# Altium PCB MotionController_DriverV1.1.PcbDoc
Units mil, origin at the board's own origin, x right, y up, seen from the top; angles counter-clockwise.
Board outline 2165.35 x 2755.91 mil, 2 copper layers (Top Layer, Bottom Layer); 155 components, 91 nets, 405 pads, 216 vias.
Unrouted connection lines stored in the file: 1.
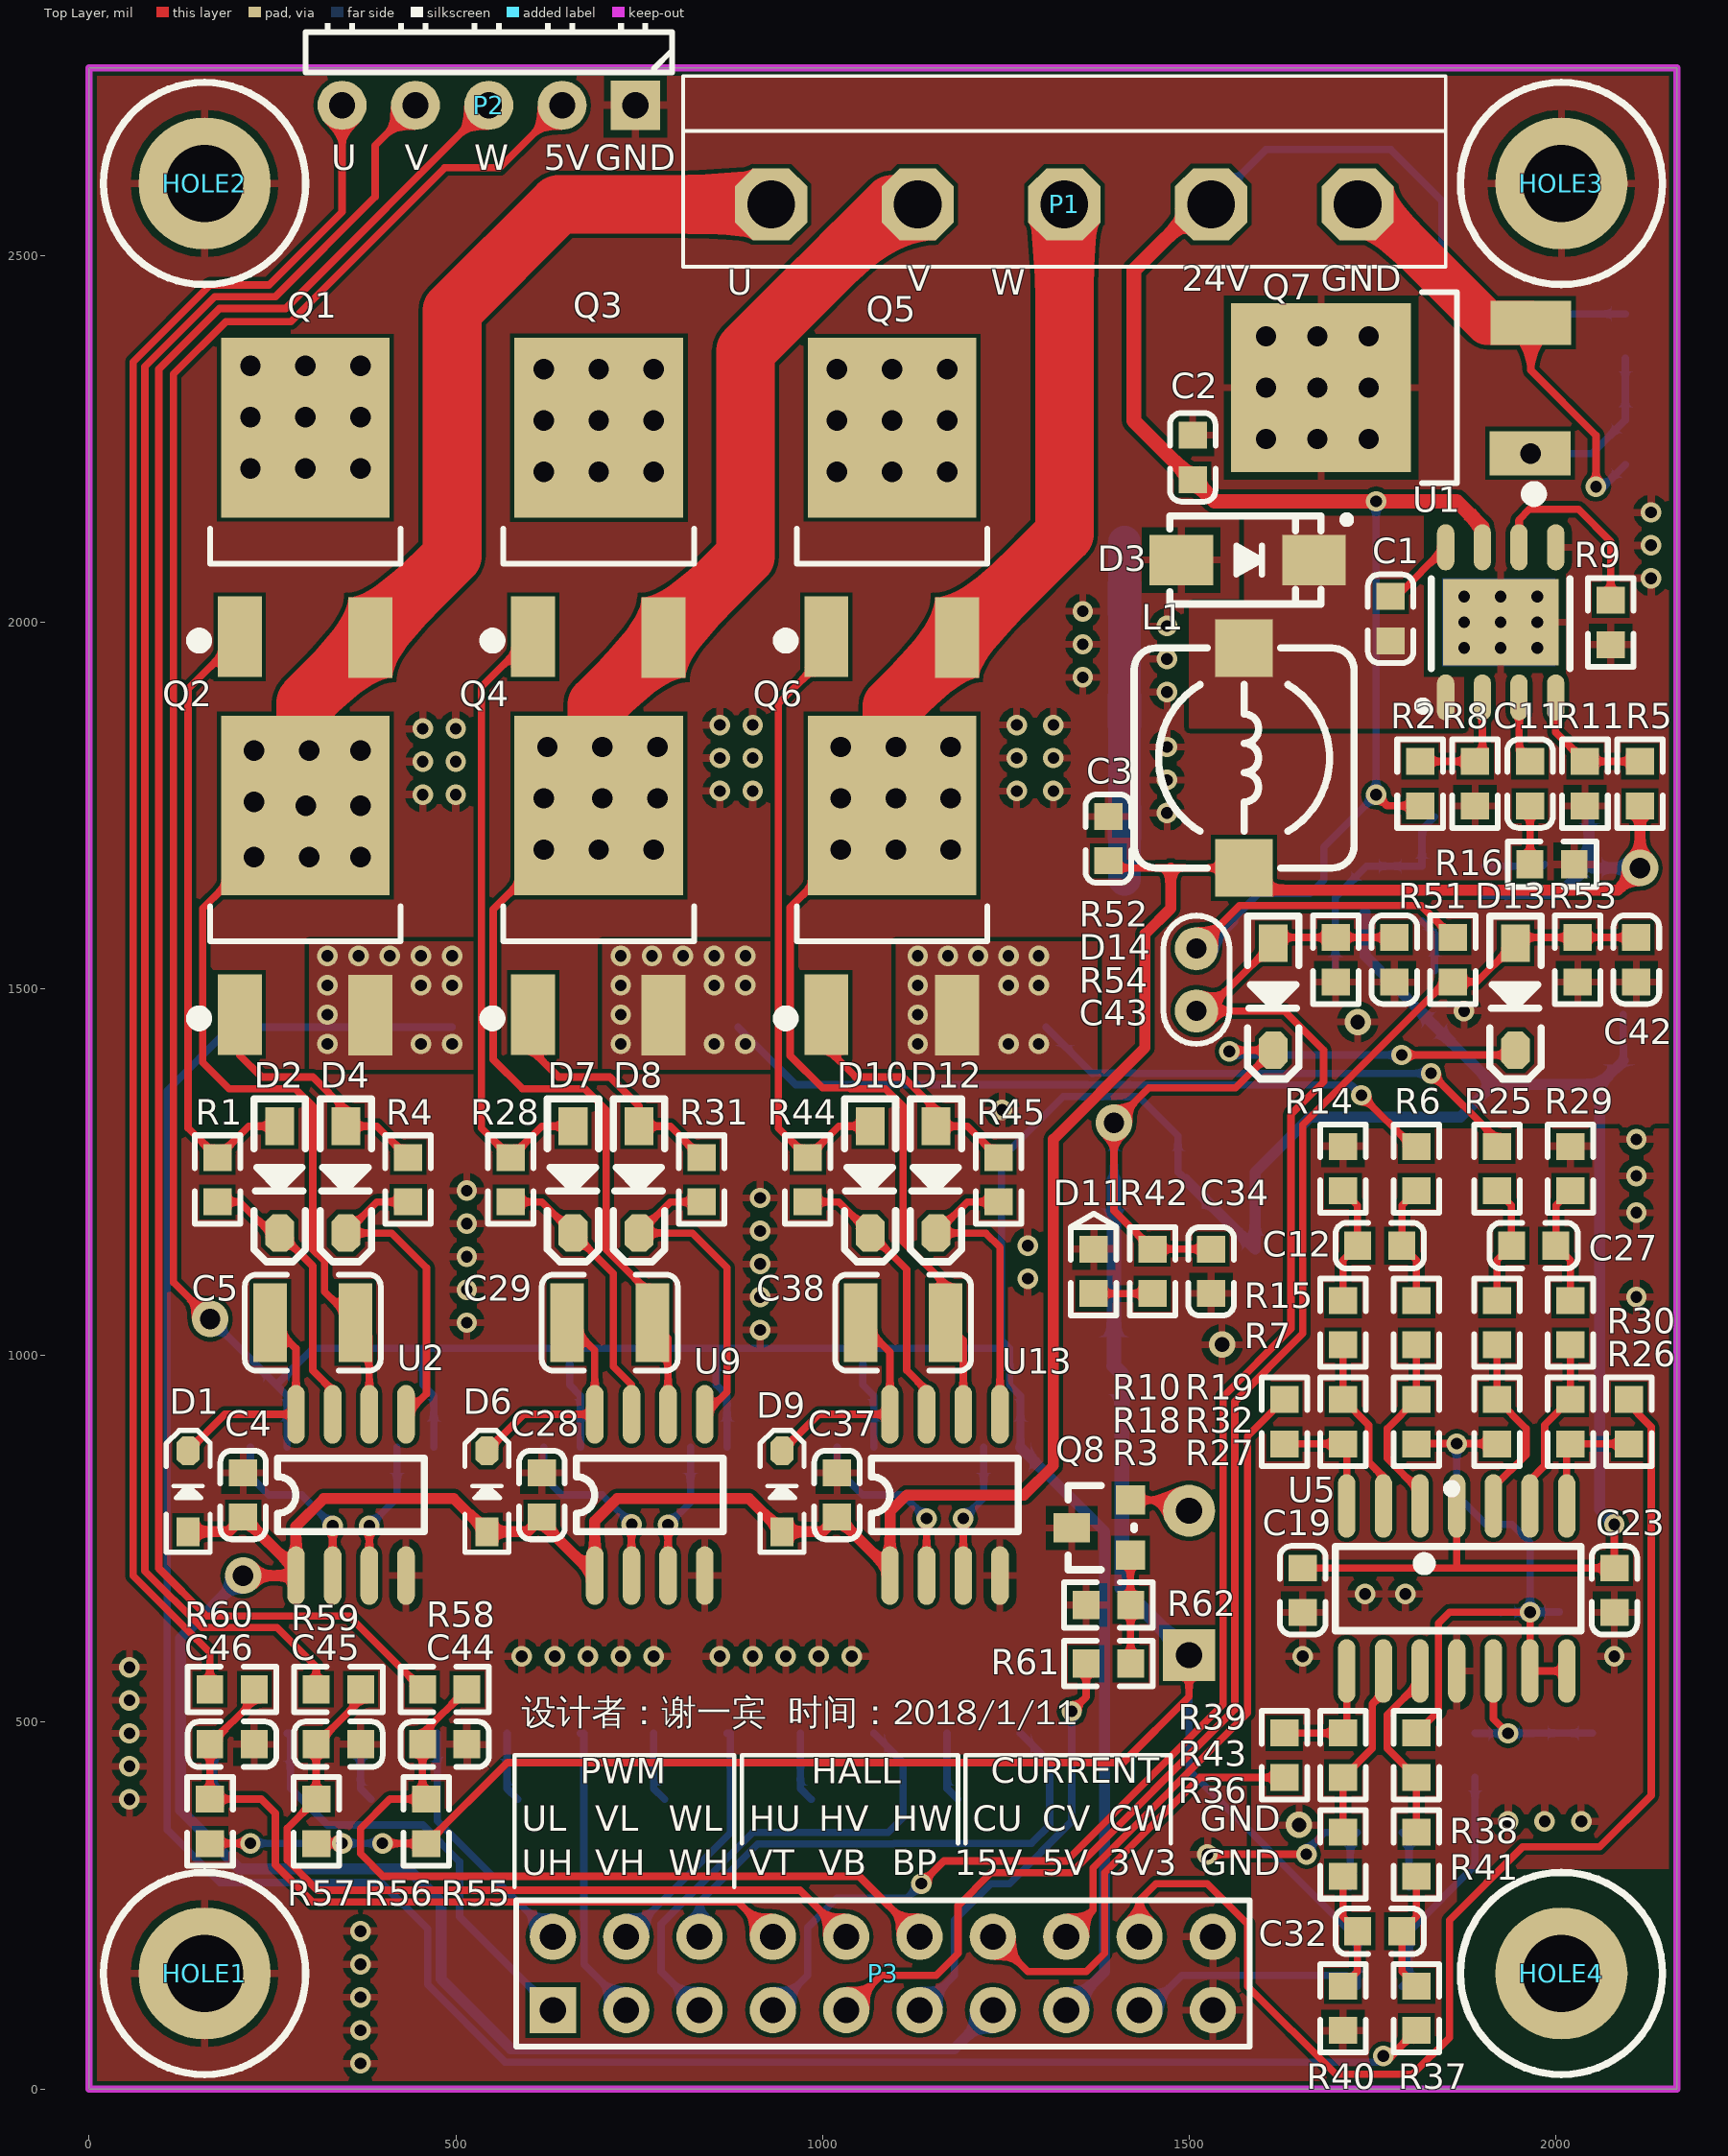
[diagram p0: Top Layer view]
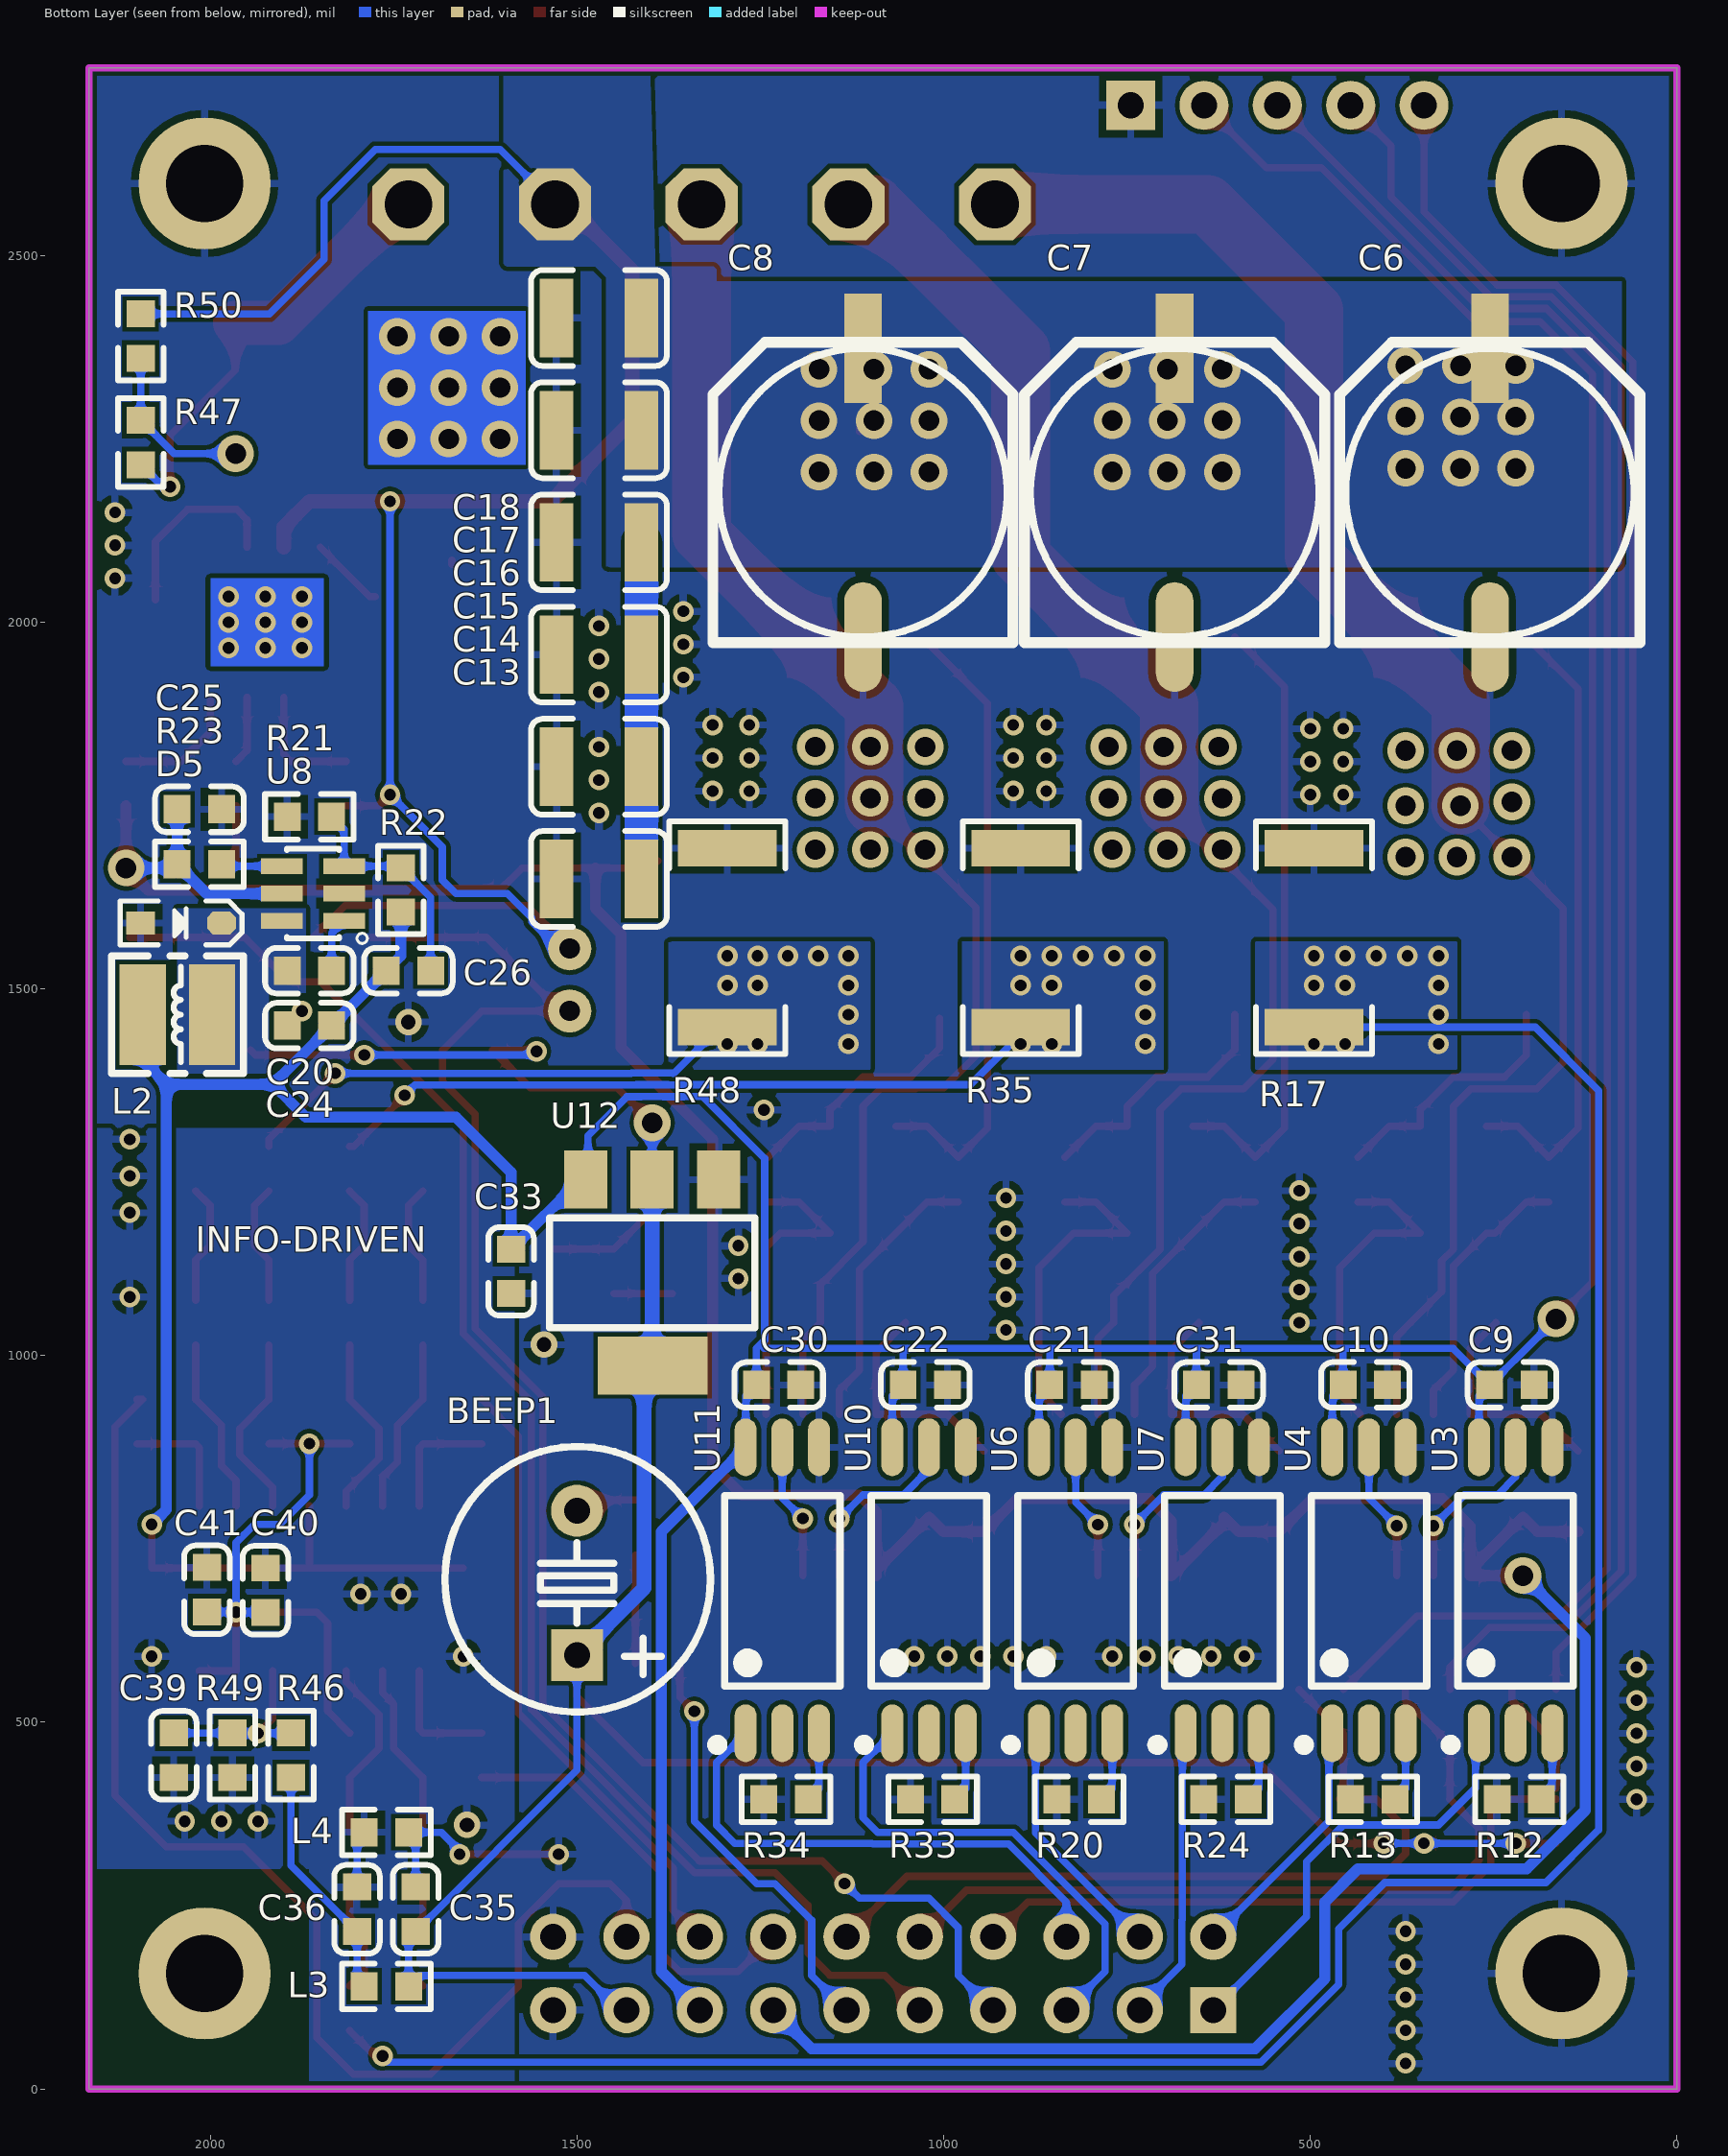
[diagram p1: Bottom Layer view, seen from below]

## Layer stack, top to bottom
Top Solder: solder mask 0.4, Solder Resist, Dk 3.5
Top Layer: signal copper 1.4
Dielectric 1: dielectric 12.6, FR-4, Dk 4.8
Bottom Layer: signal copper 1.4
Bottom Solder: solder mask 0.4, Solder Resist, Dk 3.5

## Board outline
0,0 2165.35,0 2165.35,2755.91 0,2755.91

## Design rules (kind name [scope] priority, off if disabled: settings)
Clearance [All] p1: gap=6
PolygonConnect [All] p1: connectstyle=Relief reliefconductorwidth=10 reliefentries=4 polygonreliefangle="90 Angle" airgapwidth=10
RoutingVias [All] p1: holewidth=16 width=28 viastyle="Through Hole" minholewidth=16 minwidth=28 maxholewidth=28 maxwidth=50
SolderMaskExpansion [All] p1: expansion=4
Width [All] p1: maxlimit=100 minlimit=10 preferedwidth=10
30 further rules are at their usual default settings.

## Components (designator, comment, footprint, x,y, rotation, side; value= is the part's Value field where it differs from the comment)
BEEP1 "BEEP" "BEEP 5x9x5.5" 1500,690 r180 bottom
C1 "104" 0603_C 1775,2005 r90 top
C2 "106" 0603_C 1505,2225 r270 top
C3 "22uF" 0603_C 1390,1705 r90 top
C4 "1uF" 0603_C 210,810 r270 top
C5 "106" 1210_C 305,1045 r180 top
C6 "330uF/50V" "CM F(10*10.2)" 255,2176.85 r90 bottom
C7 "330uF/50V" "CM F(10*10.2)" 685,2176.85 r90 bottom
C8 "330uF/50V" "CM F(10*10.2)" 1110,2176.85 r90 bottom
C9 "0.1uF" 0603_C 225,960 r0 bottom
C10 "0.1uF" 0603_C 425,960 r0 bottom
C11 "150pF" 0603_C 1965,1780 r270 top
C12 "68pF" 0603_C 1760,1150 r0 top
C13 "100uF" 1210_C 1470,1803 r180 bottom
C14 "100uF" 1210_C 1470,2415 r180 bottom
C15 "100uF" 1210_C 1470,2262 r180 bottom
C16 "100uF" 1210_C 1470,1650 r180 bottom
C17 "100uF" 1210_C 1470,1956 r180 bottom
C18 "100uF" 1210_C 1470,2109 r180 bottom
C19 "106" 0603_C 1655,680 r90 top
C20 "100nF" 0603_C 1865,1525 r180 bottom
C21 "0.1uF" 0603_C 825,960 r0 bottom
C22 "0.1uF" 0603_C 1025,960 r0 bottom
C23 "104" 0603_C 2080,680 r90 top
C24 "10uF" 0603_C 1865,1450 r180 bottom
C25 "4.7uF" 0603_C 2015,1745 r180 bottom
C26 "33pF" 0603_C 1730,1525 r0 bottom
C27 "68pF" 0603_C 1970,1150 r180 top
C28 "1uF" 0603_C 617.5,810 r270 top
C29 "106" 1210_C 710,1045 r180 top
C30 "0.1uF" 0603_C 1225,960 r0 bottom
C31 "0.1uF" 0603_C 625,960 r0 bottom
C32 "68pF" 0603_C 1760,215 r0 top
C33 "104" 0603_C 1590,1115 r90 bottom
C34 "106" 0603_C 1530,1115 r90 top
C35 "104" 0603_C 1720,245 r270 bottom
C36 "104" 0603_C 1800,245 r270 bottom
C37 "1uF" 0603_C 1020,810 r270 top
C38 "106" 1210_C 1110,1045 r180 top
C39 "104" 0603_C 2050,455 r90 bottom
C40 "4.7uF" 0603_C 1925,680 r270 bottom
C41 "104" 0603_C 2004.8,680.71 r270 bottom
C42 "106" 0603_C 2110,1540 r270 top
C43 "106" 0603_C 1780,1540 r270 top
C44 "22pF" 0603_C 485,470 r180 top
C45 "22pF" 0603_C 340,470 r180 top
C46 "22pF" 0603_C 195,470 r180 top
D1 "SS14" SOD-323 135,815 r90 top
D2 "1N4148" SOD-123F 260,1240 r270 top
D3 "SS14" SMA 1580,2085 r0 top
D4 "1N4148" SOD-123F 350,1240 r270 top
D5 "SS14" SOD-323 2040,1590 r180 bottom
D6 "SS14" SOD-323 542.5,815 r90 top
D7 "1N4148" SOD-123F 660,1240 r270 top
D8 "1N4148" SOD-123F 750,1240 r270 top
D9 "SS14" SOD-323 945,815 r90 top
D10 "1N4148" SOD-123F 1065,1240 r270 top
D11 "LED" 0603_LED 1370,1115 r270 top
D12 "1N4148" SOD-123F 1155,1240 r270 top
D13 "1N4148" SOD-123F 1945,1489.37 r270 top
D14 "1N4148" SOD-123F 1615,1489.37 r270 top
HOLE1 "HOLE" M2.5x6+6_L 157.48,157.48 r0 top
HOLE2 "HOLE" M2.5x6+6_L 157.48,2598.43 r0 top
HOLE3 "HOLE" M2.5x6+6_L 2007.87,2598.43 r0 top
HOLE4 "HOLE" M2.5x6+6_L 2007.87,157.48 r0 top
L1 "4.7uH-2.8A" CDRH74 1575,1815 r270 top
L2 "4.7uH-1.0A" CD32 2045,1465 r0 bottom
L3 "120R100M磁珠" 0603_R 1760,140 r0 bottom
L4 "120R100M磁珠" 0603_R 1760,350 r0 bottom
P1 "Header 5" HT5.08-5P 930,2570 r0 top
P2 "Header 5" HDR2.54-WI-5P 545,2705 r180 top
P3 "Header 10X2" HDR2.54-LI-2x10P 1082.48,157.48 r0 top
Q1 "IRF3205" TO252 295,2100 r0 top
Q2 "IRF3205" TO252 295,1585 r0 top
Q3 "IRF3205" TO252 695,2100 r0 top
Q4 "IRF3205" TO252 695,1585 r0 top
Q5 "IRF3205" TO252 1095,2100 r0 top
Q6 "IRF3205" TO252 1095,1585 r0 top
Q7 "IRF3205" TO252 1845.35,2320 r90 top
Q8 "8050" SOT23 1420.63,723.12 r90 top
R1 "33R" 0603_R 175,1240 r90 top
R2 "100K" 0603_R 1815,1780 r90 top
R3 "5.1K" 0603_R 1810,910 r90 top
R4 "33R" 0603_R 435,1240 r90 top
R5 "630K" 0603_R 2115,1780 r90 top
R6 "68R" 0603_R 1810,1255 r90 top
R7 "1.2K" 0603_R 1810,1045 r90 top
R8 "24.9K" 0603_R 1890,1780 r270 top
R9 "100K" 0603_R 2075,2000 r90 top
R10 "1K" 0603_R 1630,910 r270 top
R11 "40.2K" 0603_R 2040,1780 r270 top
R12 "360R" 0603_R 215,395 r180 bottom
R13 "360R" 0603_R 415,395 r180 bottom
R14 "68R" 0603_R 1710,1255 r90 top
R15 "1.2K" 0603_R 1710,1045 r90 top
R16 "100K" 0603_R 1995,1670 r180 top
R17 "0.1R" R_2512 495,1570 r270 bottom
R18 "5.1K" 0603_R 1710,910 r270 top
R19 "5.1K" 0603_R 1920,910 r90 top
R20 "360R" 0603_R 815,395 r180 bottom
R21 "23.7K" 0603_R 1865,1735 r180 bottom
R22 "124K" 0603_R 1740,1635 r90 bottom
R23 "200K" 0603_R 2015,1670 r180 bottom
R24 "360R" 0603_R 615,395 r180 bottom
R25 "68R" 0603_R 1920,1255 r90 top
R26 "1.2K" 0603_R 1920,1045 r90 top
R27 "1K" 0603_R 2100,910 r270 top
R28 "33R" 0603_R 575,1240 r90 top
R29 "68R" 0603_R 2020,1255 r90 top
R30 "1.2K" 0603_R 2020,1045 r90 top
R31 "33R" 0603_R 835,1240 r90 top
R32 "5.1K" 0603_R 2020,910 r270 top
R33 "360R" 0603_R 1015,395 r180 bottom
R34 "360R" 0603_R 1215,395 r180 bottom
R35 "0.1R" R_2512 895,1570 r270 bottom
R36 "5.1K" 0603_R 1810,455 r270 top
R37 "68R" 0603_R 1810,110 r270 top
R38 "1.2K" 0603_R 1810,320 r270 top
R39 "1K" 0603_R 1630,455 r90 top
R40 "68R" 0603_R 1710,110 r270 top
R41 "1.2K" 0603_R 1710,320 r270 top
R42 "1K" 0603_R 1450,1115 r90 top
R43 "5.1K" 0603_R 1710,455 r90 top
R44 "33R" 0603_R 980,1240 r90 top
R45 "33R" 0603_R 1240,1240 r90 top
R46 "3.9K" 0603_R 1890,455 r90 bottom
R47 "51K" 0603_R 2095,2245.32 r270 bottom
R48 "0.1R" R_2512 1295,1570 r270 bottom
R49 "3.9K" 0603_R 1970,455 r270 bottom
R50 "100K" 0603_R 2095,2390.32 r270 bottom
R51 "10K" 0603_R 1860,1540 r90 top
R52 "10K" Thermistor_MF52 1510,1470 r90 top
R53 "1K" 0603_R 2030,1540 r90 top
R54 "1K" 0603_R 1700,1540 r90 top
R55 "1K" 0603_R 460,365 r90 top
R56 "1K" 0603_R 310,365 r90 top
R57 "1K" 0603_R 165,365 r90 top
R58 "22R" 0603_R 485,545 r0 top
R59 "22R" 0603_R 340,545 r0 top
R60 "22R" 0603_R 195,545 r0 top
R61 "1K" 0603_R 1390,580 r180 top
R62 "10K" 0603_R 1390,660 r180 top
U1 "MP1584" SOIC-8E 1925,2000 r0 top
U2 "IR2103S" SOP-8 282.09,700 r90 top
U3 "TLP715" SOP-6 270,485 r90 bottom
U4 "TLP715" SOP-6 470,485 r90 bottom
U5 "MCP6024" SOIC-14_150mil 2015,795 r270 top
U6 "TLP715" SOP-6 870,485 r90 bottom
U7 "TLP715" SOP-6 670,485 r90 bottom
U8 "MP2451" SOT23-6 1860,1630 r270 bottom
U9 "IR2103S" SOP-8 689.59,700 r90 top
U10 "TLP715" SOP-6 1070,485 r90 bottom
U11 "TLP715" SOP-6 1270,485 r90 bottom
U12 "ASM1117-3V3" SOT-223 1395,1110 r0 bottom
U13 "IR2103S" SOP-8 1092.09,700 r90 top

## Footprints (in the part's own frame and the unit in brackets; to place one, negate y for a bottom-side part, rotate by r counter-clockwise, add the part's x,y. Pads: shape width x height; smd on the part's side, far side on the other; paste and mask are expansions set on the pad)
0603_C [mm]
  rect 0.93x0.98 smd: 1(-0.77,0) 2(0.77,0)
  silkscreen extent -1.53,-0.79 1.54,0.79, body extent -0.8,-0.4 0.8,0.4, height 0.3
0603_LED [mm]
  rect 0.93x0.98 smd: 1(0.77,0) 2(-0.77,0)
  silkscreen extent -2,-0.79 1.53,0.79, body extent -0.8,-0.4 0.8,0.4, height 0.6
0603_R [mm]
  rect 0.93x0.98 smd: 1(-0.77,0) 2(0.77,0)
  silkscreen extent -1.53,-0.79 1.54,0.79, body extent -0.85,-0.4 0.85,0.4, height 0.56
1210_C [mm]
  rect 1.16x2.72 smd: 1(-1.475,0) 2(1.475,0)
  silkscreen extent -2.36,-1.66 2.35,1.66
"BEEP 5x9x5.5" [mm] "5*9*5.5mm(脚距,直径,高度)"
  rect 1.8x1.8 hole 0.9: 1(0,-2.5)
  round 1.8 hole 0.9: 2(0,2.5)
  silkscreen extent -4.58,-4.47 4.62,4.72, body extent -4.5,-4.5 4.5,4.5, height 5.45
CD32 [mm] "3.5*3*2mm（长宽高）"
  rect 1.6x3.5 smd: 1(-1.2,0) 2(1.2,0)
  silkscreen extent -2.29,-2.03 2.29,2.03, body extent -1.71,-1.5 1.71,1.5, height 2.15
CDRH74 [mm] "7.3*7.3*4.5mm（长宽高）"
  rect 2x2 smd: 1(-3.81,0) 2(3.81,0)
  silkscreen extent -3.81,-3.81 3.81,3.81, body extent -3.65,-3.65 3.65,3.65, height 4.5
"CM F(10*10.2)" [mm] "贴片电解电容，直径10mm，高10.2mm"
  rect 3.8x1.3 smd: 1(5,0)
  oval 3.8x1.3 smd: 2(-5,0)
  silkscreen extent -5.2,-5.2 5.2,5.2, body extent -5.8,-5.15 5.8,5.15, height 10.2
HDR2.54-LI-2x10P [mm] "双排排针，10x2脚"
  rect 1.6x1.6 hole 0.9: 1(-11.43,-1.27)
  round 1.6 hole 0.9: 2(-11.43,1.27) 3(-8.89,-1.27) 4(-8.89,1.27) 5(-6.35,-1.27) 6(-6.35,1.27) 7(-3.81,-1.27) 8(-3.81,1.27) 9(-1.27,-1.27) 10(-1.27,1.27) 11(1.27,-1.27) 12(1.27,1.27) 13(3.81,-1.27) 14(3.81,1.27) 15(6.35,-1.27) 16(6.35,1.27) 17(8.89,-1.27) 18(8.89,1.27) 19(11.43,-1.27) 20(11.43,1.27)
  silkscreen extent -12.7,-2.54 12.7,2.54, body extent -12.7,-2.54 12.7,2.54, height 8.5
HDR2.54-WI-5P [mm] "弯脚排针，5脚"
  rect 1.7x1.7 hole 0.9: 1(-5.08,0)
  round 1.7 hole 0.9: 2(-2.54,0) 3(0,0) 4(2.54,0) 5(5.08,0)
  silkscreen extent -6.35,-7.76 6.35,-1.14, body extent -6.35,-7.77 6.35,1.27, height 4.85
HT5.08-5P [mm] "接线端子"
  oct 2.5x2.5 hole 1.65: 1(0,0) 2(5.08,0) 3(10.16,0) 4(15.24,0) 5(20.32,0)
  silkscreen extent -3.05,-2.16 23.37,4.44
M2.5x6+6_L [mm] "M2.5铜柱，长：6mm，螺纹长：6mm"
  round 4.58 hole 2.675: 1(0,0)
  silkscreen extent -3.5,-3.5 3.5,3.5, body extent -2.7,-2.35 2.7,2.35, height 6.05
R_2512 [mm]
  rect 1.25x3.42 smd: 1(-3.1,0) 2(3.1,0)
  silkscreen extent -4.03,-2.01 4.02,2.01, body extent -3.16,-1.6 3.16,1.6, height 0.62